# Altium PCB PCB2.PcbDoc (continued)
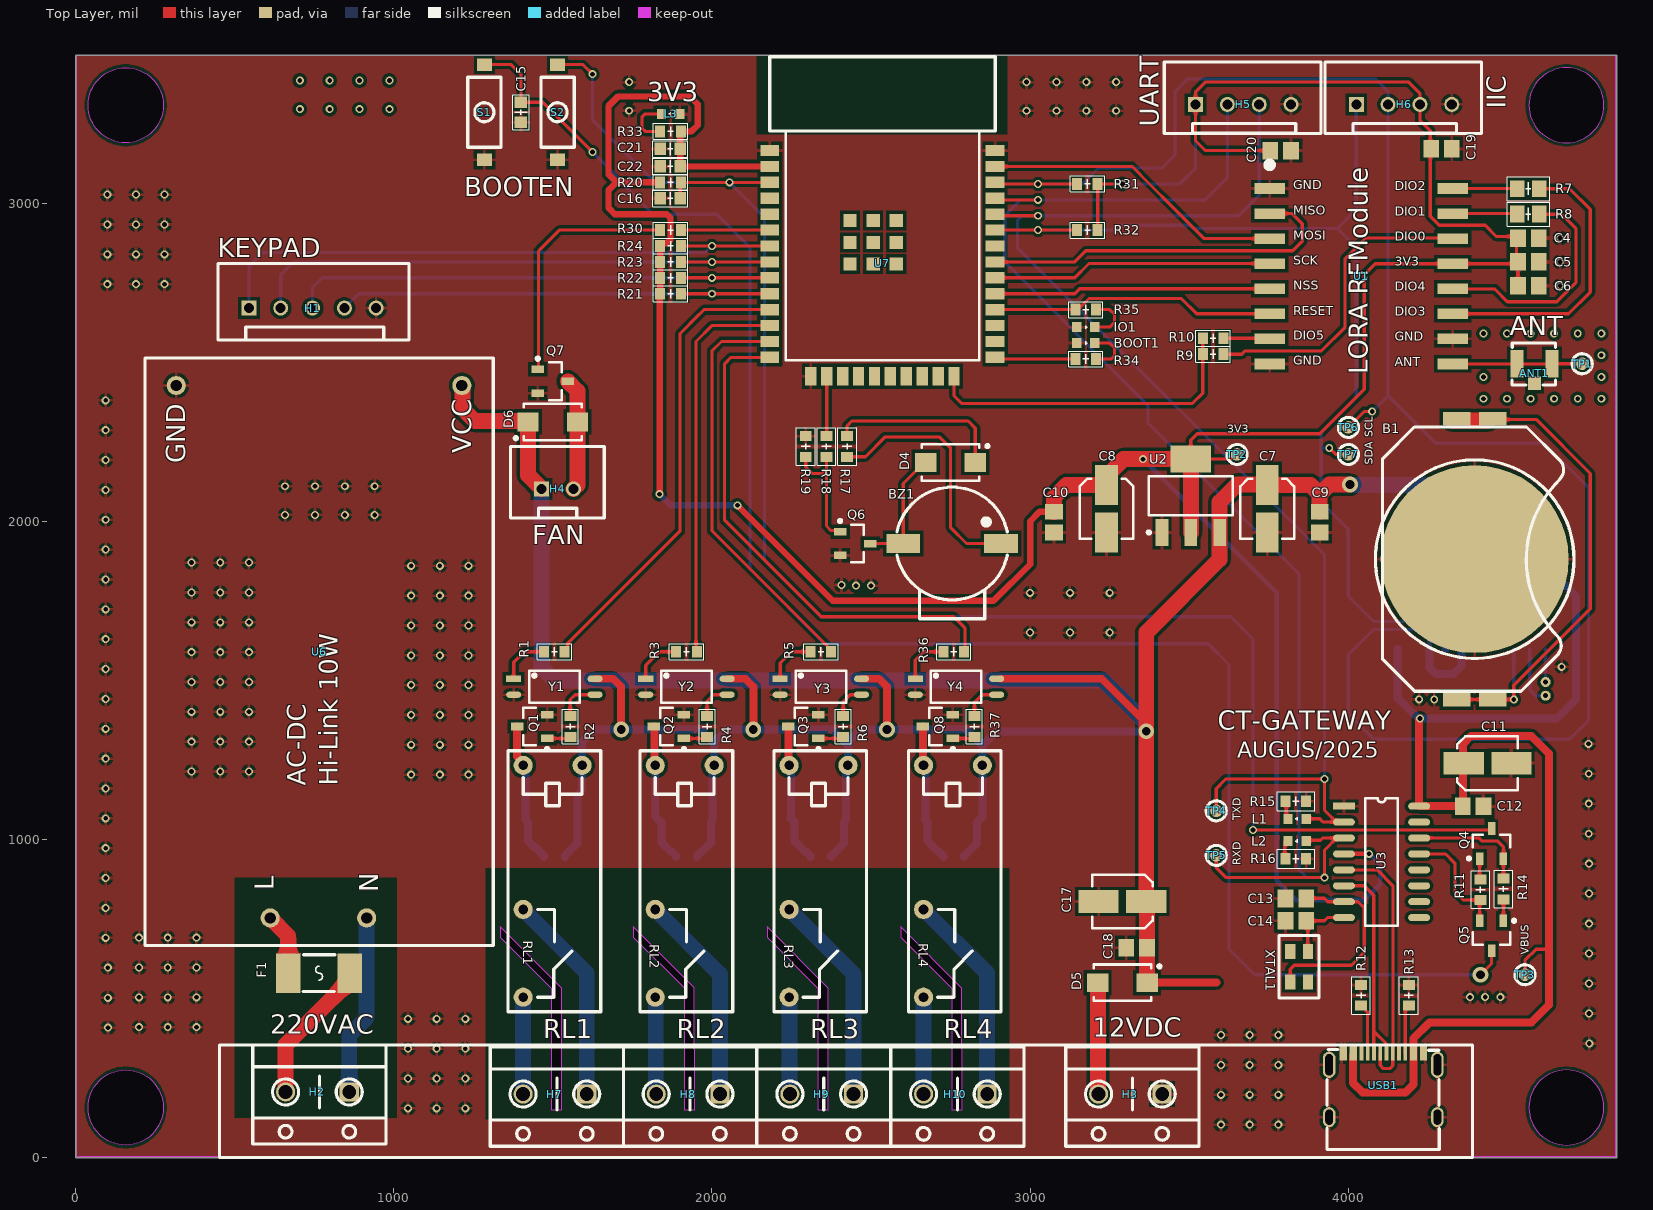
[diagram p0: Top Layer view]
## Footprints (in the part's own frame and the unit in brackets; to place one, negate y for a bottom-side part, rotate by r counter-clockwise, add the part's x,y. Pads: shape width x height; smd on the part's side, far side on the other; paste and mask are expansions set on the pad)
AST0927MW-03TRQ [mm] "Buzzer"
  rect 2.7x1.5 smd: 1(3.9,0) 2(-3.9,0)
  silkscreen extent -4.4,-6 4.4,4.5, body extent -5.25,-6 5.25,4.5, height 2.5
BTN-SMD-3x6 [mm]
  rect 1x1.2 smd: 1(0,0) 2(7.6,0)
  silkscreen extent 1.01,-1.33 6.59,1.33, body extent -0.2,-1.85 7.82,1.85, height 2.5
C0603 [mm]
  rect 0.9x1 smd: 1(-0.8,0) 2(0.8,0)
  silkscreen extent -1.4,-0.66 1.4,0.66, body extent -0.9,-0.5 0.9,0.5, height 0.8
C0805 [mm]
  rect 1.25x1.4 smd: 1(-0.825,0) 2(0.825,0)
  body extent -1.05,-0.67 1.05,0.67, height 0.8
CAP-AL-4x5.4 [mm] "Aluminum Electrolytic Capacitor, Body 4,80x4,30x5,40mm, IPC Low Density"
  rect 3.2x1.8 smd: 1(-1.9,0) 2(1.9,0)
  silkscreen extent -2.4,-2.15 2.4,2.15, body extent -2.73,-2.15 2.73,2.15, height 5.4
CR2032-SMD-Thick [mm]
  rect 1.1x2.2 smd: 1(-11.2,-1.45) 1(-11.2,1.45) 1(11.2,-1.45) 1(11.2,1.45)
  round 15 smd: 2(0,0)
  silkscreen extent -10.55,-7.92 10.55,7.92, body extent -11.62,-7.38 11.63,7.67, height 3.35
"Crystal 5032" [mm]
  rect 1.2x0.8 smd: 1(-1.2,0.7) 2(1.2,0.7) 3(1.2,-0.7) 4(-1.2,-0.7)
  silkscreen extent -2.5,-1.6 2.5,1.6, body extent -2.5,-1.6 2.44,1.6, height 0.85
"CRYSTAL DT38" [mm]
  round 0.8 hole 0.4: 1(-0.55,0) 2(0.55,0)
  silkscreen extent -1.5,-0.26 1.5,9.27
ESP32-WROOM-32 [mm]
  rect 1.5x0.9 smd: 1(0,0) 2(0,-1.27) 3(0,-2.54) 4(0,-3.81) 5(0,-5.08) 6(0,-6.35) 7(0,-7.62) 8(0,-8.89) 9(0,-10.16) 10(0,-11.43) 11(0,-12.7) 12(0,-13.97) 13(0,-15.24) 14(0,-16.51) 25(17.99,-16.51) 26(17.99,-15.24) 27(17.99,-13.97) 28(17.99,-12.7) 29(17.99,-11.43) 30(17.99,-10.16) 31(17.99,-8.89) 32(17.99,-7.62) 33(17.99,-6.35) 34(17.99,-5.08) 35(17.99,-3.81) 36(17.99,-2.54) 37(17.99,-1.27) 38(17.99,0)
  rect 0.9x1.5 smd: 15(3.28,-18.01) 16(4.55,-18.01) 17(5.82,-18.01) 18(7.09,-18.01) 19(8.36,-18.01) 20(9.63,-18.01) 21(10.9,-18.01) 22(12.17,-18.01) 23(13.44,-18.01) 24(14.71,-18.01)
  rect 1.05x1.05 smd: 39(6.415,-9.056) 39(6.415,-7.34) 39(6.415,-5.588) 39(8.257,-9.056) 39(8.257,-7.34) 39(8.257,-5.588) 39(10.098,-9.056) 39(10.098,-7.34) 39(10.098,-5.588)
  silkscreen extent 0,-16.73 18,7.49, body extent -0.03,-18.06 18.07,7.49, height 4.05
Fuse-1808 [mm]
  rect 1.96x3.15 smd: 1(-2.455,0) 2(2.455,0)
  silkscreen extent -1.27,-1.47 1.27,1.47, body extent -3.05,-1.27 3.05,1.27, height 2.58
HF-46-X [mil]
  round 60 hole 30: 1(0,-92.52) 2(0,92.52) 3(452.76,-92.52) 4(728.35,-92.52)
  silkscreen extent -46,-140 774,151, body extent -40,-134 768,144, height 630
"HLK-HiLink AC-DC 10W" [mm]
  round 1.524 hole 0.9: 1(-21.25,3.9) 2(-21.25,-3.8) 3(21.25,11.4) 4(21.25,-11.4)
  silkscreen extent -23.45,-13.9 23.45,13.9, body extent -23.45,-13.9 23.45,13.9, height 21.8
"IPEX Connector SMD" [mm]
  rect 1.05x2.2 smd: 1(-1.4,0) 1(1.4,0)
  rect 1x1.1 smd: 2(0,-1.55)
  silkscreen extent -1.8,-1.7 1.68,1.65, body extent -1.5,-1.55 1.5,1.55, height 1.25
KF301-2-V [mil]
  rect 60x60 hole 43.31: 1(0,0)
  round 60 hole 43.31: 2(200,0)
  silkscreen extent -116,-148 304,164, body extent -97,-156 311,143, height 416
LED-0603-BLUE [mm]
  rect 0.75x0.8 smd: 1(-0.725,0) 2(0.725,0)
  silkscreen extent -0.13,-0.13 0,0.13, body extent -0.8,-0.4 0.8,0.4, height 0.55
"LORA RFM95/96/97/98W" [mm]
  rect 2.45x0.85 smd: 1(-7.3,7) 2(-7.3,5) 3(-7.3,3) 4(-7.3,1) 5(-7.3,-1) 6(-7.3,-3) 7(-7.3,-5) 8(-7.3,-7) 9(7.3,-7) 10(7.3,-5) 11(7.3,-3) 12(7.3,-1) 13(7.3,1) 14(7.3,3) 15(7.3,5) 16(7.3,7)
  silkscreen extent -7.56,8.64 -7.07,9.14, body extent -8,-8 8,8, height 2.04
R0603 [mm] "Resistor Surface Mount Device"
  rect 0.8x0.95 smd: 1(-0.825,0) 2(0.825,0)
  silkscreen extent -1.37,-0.64 1.37,0.64, body extent -0.87,-0.48 0.87,0.48, height 0.45
R0805 [mm]
  rect 1.15x1.35 smd: 1(-0.875,0) 2(0.875,0)
  silkscreen extent -1.7,-0.95 1.7,0.95, body extent -1.1,-0.67 1.1,0.67, height 0.6
SMA [mm] "Molded Diode, 2-Leads, Body 4,29x2,69mm, IPC Medium Density"
  rect 1.7x1.5 smd: A(-1.975,0) K(1.975,0)
  silkscreen extent -2.3,-1.45 3.08,1.45, body extent -2.51,-1.45 2.51,1.44, height 2.4
SOIC8 [mm]
  rect 1.8x0.6 smd: 1(0,0)
  oval 1.8x0.6 smd: 2(0,-1.27) 3(0,-2.54) 4(0,-3.81) 5(5.4,-3.81) 6(5.4,-2.54) 7(5.4,-1.27) 8(5.4,0)
  silkscreen extent 1.27,-4.44 4.06,0.63, body extent -0.25,-4.32 5.65,0.58, height 1.5
SOP-4 [mm]
  rect 1.2x0.5 smd: 1(0,0)
  oval 1.2x0.5 smd: 2(0,-1.27) 3(6.5,-1.27) 4(6.5,0)
  silkscreen extent 1.23,-1.91 5.27,0.64, body extent -0.25,-2.04 6.75,0.76, height 2.1
SOP-16 [mm]
  rect 1.745x0.56 smd: 1(0,0)
  oval 1.745x0.56 smd: 2(0,-1.27) 3(0,-2.54) 4(0,-3.81) 5(0,-5.08) 6(0,-6.35) 7(0,-7.62) 8(0,-8.89) 9(6,-8.89) 10(6,-7.62) 11(6,-6.35) 12(6,-5.08) 13(6,-3.81) 14(6,-2.54) 15(6,-1.27) 16(6,0)
  silkscreen extent 1.71,-9.53 4.29,0.64, body extent -0.2,-9.47 6.04,0.51, height 1.58
SOT-23 [mm] "SOT23, 3-Leads, Body 2,90x2,45mm, Pitch 0,95mm, IPC Medium Density"
  rect 1x0.6 smd: 1(-1.2,0.95) 2(-1.2,-0.95) 3(1.2,0)
  silkscreen extent -1.33,-1.5 0.7,1.92, body extent -1.3,-1.5 1.3,1.5, height 1.1
SOT-223 [mm] "SOT223, 4-Leads, Body 6,50x7,00mm (avg), Pitch 2,30mm, IPC Medium Density"
  rect 2.15x1 smd: 1(-2.925,2.3) 2(-2.925,0) 3(-2.925,-2.3)
  rect 2.15x3.25 smd: 2(2.925,0)
  silkscreen extent -3.05,-3.35 1.55,3.47, body extent -3.5,-3.35 3.5,3.35, height 1.8
"Test Point" [mm]
  round 1 smd mask+0: 1(0,0)
  silkscreen extent -0.8,-0.8 0.8,0.8
USB-C-H-K-16P [mm] "USB TYPE C 16PIN CONNECTOR HORIZONETAL"
  oval 1x1.6 hole 1.2 slot 0.6 at 0 deg: 0(-4.32,2.6) 0(4.32,2.6)
  oval 1x2.1 hole 1.7 slot 0.6 at 0 deg: 0(-4.32,6.78) 0(4.32,6.78)
  rect 0.3x1.15 smd mask+0.102: A1(-3.338,7.695) A4(-2.54,7.695) A9(2.553,7.695) A12(3.353,7.695) B1(3.063,7.695) B4(2.263,7.695) B9(-2.25,7.695) B12(-3.048,7.695)
  rect 0.3x1.15 smd mask+0.05: A5(-1.25,7.695) A6(-0.25,7.695) A7(0.25,7.695) A8(1.25,7.695) B5(1.75,7.695) B6(0.75,7.695) B7(-0.75,7.695) B8(-1.75,7.695)
  silkscreen extent -4.5,0.03 4.47,8, body extent -4.5,0.04 4.44,7.94, height 3.2
XH-2.54-2P [mm]
  rect 1.2x1.2 hole 0.8: 1(0,0)
  round 1.2 hole 0.8: 2(2.54,0)
  silkscreen extent -2.5,-2.32 5,3.37, body extent -2.41,-2.35 4.99,3.4, height 7
XH-2.54-4P [mm]
  rect 1.2x1.2 hole 0.8: 1(0,0)
  round 1.2 hole 0.8: 2(2.54,0) 3(5.08,0) 4(7.62,0)
  silkscreen extent -2.5,-2.32 10,3.37, body extent -2.33,-2.35 10.07,3.4, height 7
XH-2.54-5P [mm]
  rect 1.2x1.2 hole 0.8: 1(0,0)
  round 1.2 hole 0.8: 2(2.54,0) 3(5.08,0) 4(7.62,0) 5(10.16,0)
  silkscreen extent -2.46,-2.54 12.78,3.56, body extent -2.29,-2.35 12.61,3.4, height 7

## Part data
ANT1: "RF Antena", ComponentLink1Description=Datasheets, ComponentLink1URL=https://cdn.taoglas.com/datasheets/RECE.20279.001E.01.pdf
B1: "CR2032 Battery", ComponentLink1Description="CR2032 Battery", ComponentLink1URL=https://www.jauch.com/downloadfile/5ef1edcfd15cf1c9921d36c851eb4c34f/cr2032_jauch.pdf%C2%A0
BOOT1 IO1 L1 L2 L3: library part LED-Blue, "Blue Light Emiter Diode"
BZ1: "Voltage Rate 5V, Current 50mA"
C1 C2 C3 C4 C5 C6 C9 C10 C12 C13 C14 C15 C16 C18 C19 C20 C21 C22 C23: library part CAP-CER, "Ceramic Capacitor"
C7 C8 C11 C17: library part CAP-ALU, "Aluminum Capacitor"
D1 D2 D3 D4 D6 D7: "Small Signal Diode"
D5: library part Diode_Schottky, "Schottky diodes"
F1: library part Fuse, "MF-MSMF Series - PTC Resettable Fuses", ComponentLink1Description="MF-MSMF Series", ComponentLink1URL=https://www.bourns.com/docs/product-datasheets/mf-msmf.pdf
H1: library part CONN-5P, "Connector 5 Pole"
H2 H3 H7 H8 H9 H10: library part KF301-2-V, "Connector 5.08MM Pitch Vertical 2 Pole"
H4: library part CONN-2P, "Connector 2 Pole"
H5 H6: library part CONN-4P, "Connector 4 Pole"
Q1 Q2 Q3 Q4 Q5 Q6 Q7 Q8: "NPN Transistors 0.5A Collector to Emitter 25V"
R1 R2 R3 R4 R5 R6 R7 R8 R9 R10 R11 R12 R13 R14 R15 R16 R17 R18 R19 R20 R21 R22 R23 R24 R25 R26 R27 R28 R29 R30 R31 R32 R33 R34 R35 R36 R37: library part Resistor, "Resistor"
RL1 RL2 RL3 RL4: "Relay 4 Pin", ComponentLink1Description=HF-46F, ComponentLink1URL=https://source.hongfa.com/pdf/web/viewer.html?file=/Uploads/Product/PDF/HF46F_en.pdf
S1 S2: library part Button-2P, "Tactile Switch 2 pole"
TP1 TP2 TP3 TP4 TP5 TP6 TP7: library part TestPoint, "Test Point"
U1: library part "RFM95/96/97/98 LORA Module", "The RFM95/96/97/98(W) transceivers feature the LoRaTM    long range modem that provides ultra-long range spread spectrum communication and high interference immunity whilst minimising current consumption.", ComponentLink1Description=RFM95/96/97/98, ComponentLink1URL=https://cdn.sparkfun.com/assets/learn_tutorials/8/0/4/RFM95_96_97_98W.pdf
U2: "Regulator intergated chip", ComponentLink1Description=AMS1117-3.3, ComponentLink1URL=https://mm.digikey.com/Volume0/opasdata/d220001/medias/docus/6283/AMS1117-2.5.pdf
U3: library part CH340-16P, "USB to UART bridge / CH340-G-C-B", ComponentLink1Description="CH340 Series", ComponentLink1URL=https://cdn.sparkfun.com/datasheets/Dev/Arduino/Other/CH340DS1.PDF
U4: "Realtime Clock IC", ComponentLink1Description=DS1307, ComponentLink1URL=https://www.alldatasheet.com/datasheet-pdf/view/254791/MAXIM/DS1307.html
U5: "I2C Serial EEPROM", ComponentLink1Description=AT24CS02, ComponentLink1URL=https://ww1.microchip.com/downloads/aemDocuments/documents/MPD/ProductDocuments/DataSheets/20006330A.pdf
U6: "Module AC to DC 220AC-24/12/5VDC 10W"
U7: "ESP32 powerfull micro controller CHIP", ComponentLink1Description=ESP32-WROOM-32E-N4, ComponentLink1URL=https://www.espressif.com/sites/default/files/documentation/esp32-wroom-32e_esp32-wroom-32ue_datasheet_en.pdf
USB1: library part USB-C-F-16P, "16P USB TYPE-C CONNECTOR"
XTAL1: library part CRYSTAL-4P, "Crystall 3Pin Capacitor Intergrated"
XTAL2: library part CRYSTAL-2P, "Crystall 2Pin Capacitor Intergrated"
Y1 Y2 Y3 Y4: library part PC817, "Photo-Coupler", ComponentLink1Description=PC817, ComponentLink1URL=https://www.socle-tech.com/doc/IC%20Channel%20Product/Optoelectronic%20Components/Photocoupler/PC8171_NIP1B_ED-16P023.pdf

## Via types
v1: diameter 25, hole 15, Top Layer to Bottom Layer, 211 vias
v2: diameter 50, hole 28, Top Layer to Bottom Layer, 6 vias

## Nets (pads, with @x,y where several pads share a name; then routed paths per layer and width w, separated by ;. In a path a pad name is that pad's centre, name@x,y a point inside that pad or via, vN(x,y) a via of type N, cw(c..) or ccw(c..) an arc to the next point about the centre after c; other vN are vias at no path point)
3V3: C4.2 C5.2 C6.2 C8.1 C10.2 C19.2 C20.2 C21.2 C22.2 H5.1 H6.3 R20.2 R21.1 R22.1 R23.1 R24.1 R31.1 R32.1 R33.1 TP2.1 U1.13 U2.2 U3.4 U7.2 | length 11143.7
  Top Layer w10: C22.2@1900.55,3113.03 C22.2@1902.52,3115 ; R33.1@1900.55,3223.07 R33.1 ; R32.1 R31.1 v1(3290,3060) ; TP2.1 3642.05,2210 3627.21,2195.16 3505,2195.16 3505,2255 3525,2275 3910,2275 4050,2415 4050,2775 4084.37,2809.37 U1.13 4527.44,2809.37 C5.2 ; C20.2@3757.52,3165 C20.2 3550,3165 3520,3195 H5.1 3520,3350 3550,3380 4190,3380 4225,3345 H6.3 4225,3260 4257.52,3227.48 4257.52,2958.18 4285.7,2930 4430,2930 4465,2895 4528.07,2895 4528.07,2820 C5.2 ; C6.2 C5.2
  Top Layer w15: U3.4@3986.69,955 v1(4065,955)
  Top Layer w20: v1(1835,2085) 1835.96,2085.96 1835.96,2713.38 R21.1 R22.1 R23.1 R24.1 ; R20.2 1700,3065 ; R24.1@1843.32,2866.99 1843.32,2873.7 1858.28,2873.7 1870,2885.42 1870,2953.28 1858.28,2965 1695,2965 1675,2985 1675,3040 1700,3065 ; C22.2 C21.2 R33.1@1900.55,3223.07 ; C22.2@1902.52,3115 U7.2 ; R33.1 1935,3225 1955,3245 1955,3310 1930,3335 1705,3335 1675,3305 1675,3090 1700,3065 ; v1(2080,2050) 2380,1750 2885,1750 3000,1865 3000,2000.12 3029.29,2029.41 C10.2@3074.61,2029.41
  Top Layer w50: C10.2@3074.61,2029.41 C10.2 3075,2075 3114.45,2114.45 C8.1 3240,2142.01 3293.15,2195.16 3505,2195.16 U2.2@3505,1964.84
  Bottom Layer w10: v1(3290,3060) 3470,3060 3520,3110 H5.1
  Bottom Layer w15: v1(3355,2195) 3775,1775 3775,870 3835,810 4050,810 4100,860 4100,920 v1(4065,955)
  Bottom Layer w20: v1(1835,2085) 1870,2050 v1(2080,2050)
5V: D4.K R17.2 | length 558
  Top Layer w10: R17.2 2425,2300 2440,2315 2805,2315 2827.37,2292.63 D4.K
+5: C1.2 C2.2 C3.2 C7.1 C9.2 C11.1 C12.2 C17.1 C18.2 C23.2 D1.K D2.K D3.K D5.K D6.K D7.K H4.1 R25.2 R26.2 RL1.2 RL2.2 RL3.2 RL4.2 TP3.1 U2.3 U3.16 U4.8 U5.8 U6.4 USB1.A4 USB1.A9 USB1.B4 USB1.B9 Y1.4 Y2.4 Y3.4 Y4.4 | length 14845.3
  Top Layer w10: TP3.1 4555,620 4590,655 4630,655
  Top Layer w25: Y1.4 1690,1505 1715,1480 v2(1715,1345) ; Y2.4 2105,1505 2130,1480 v2(2130,1345) ; Y3.4@2467.95,1505 Y3.4 2525,1505 2550,1480 v2(2550,1345) ; Y4.4@2906.12,1505 3225,1505 3365,1365 ; D5.K 3585,550 ; USB1.A4@4015,322.76 4015,235 4045,205 4180,205 4205,230 4205,375 4255,425 4575,425 4630,480 4630,655 4630,1270 4575,1325 4385,1325 4360,1300 4360,1236.89 4359.92,1236.81 C12.2 U3.16 4222.4,1377.4 v1(4225,1380)
  Top Layer w50: U6.4 1216.13,2424.7 1216.13,2353.87 1255,2315 1419.49,2315 D6.K 1422.24,2144.45 H4.1 ; D5.K 3367.62,550.14 3367.62,659.86 C18.2 3367.09,660.39 3367.09,805 3365,807.09 3365,1650 3595,1880 3595,1964.29 U2.3 3595.55,2060.55 3650,2115 3744.45,2115 C7.1 3880.55,2114.45 3910,2085 ; C9.2 3910,2085 ; v2(4005,2115) 3940,2115 3910,2085
  Bottom Layer w25: C1.2 1537.48,947.95 1577.37,987.85 D1.K 1577.37,1140.33 1592.02,1154.98 RL1.2 1592.02,1307.02 1630,1345 v2(1715,1345) 1965,1345 2007.02,1302.98 ; C2.2 1952.48,947.95 1964.59,960.06 1967.54,960.06 1997.3,989.81 D2.K 2002.16,1059.86 2002.16,1227.89 RL2.2 2007.02,1302.98 ; C3.2 2374.96,947.95 2414.85,987.85 D3.K 2421.19,1061.33 2421.19,1226.42 RL3.2 2427.52,1307.02 2465.5,1345 v2(2550,1345) 2800.5,1345 2850.04,1295.46 RL4.2 2850.04,1072.03 2833.01,1055 D7.K 2832.76,987.97 2804.84,960.06 2804.59,960.06 2792.48,947.95 C23.2 ; 2422.02,1302.98 2380,1345 v2(2130,1345) 2045,1345 2007.02,1307.02 2007.02,1302.98 ; 2855.26,1300.26 2895,1340 v2(3365,1340) ; U5.8 4155,1445 4220,1380 v1(4225,1380) 4655,1380 4715,1440 4715,1765 4670,1810 4620.69,1810 4620,1810.69 U4.8 4620,1960 4587.52,1992.48 R25.2 R26.2
  Bottom Layer w50: H4.1 1465,1540 1505,1500 3230,1500 3365,1365 v2(3365,1340) ; v2(4005,2115) 4005.43,2114.57 4390.43,2114.57 4460,2045 R26.2
GND: B1.2 BOOT1.2 C4.1 C5.1 C6.1 C7.2 C8.2 C9.1 C10.1 C11.2 C12.1 C13.1 C14.1 C15.2 C16.2 C17.2 C18.1 C19.1 C20.1 C21.1 C22.1 H1.5 H3.1 H5.4 H6.4 IO1.2 L3.2 Q1.2 Q2.2 Q3.2 Q6.2 Q7.2 Q8.2 R12.2 R13.1 R15.1 R16.1 R19.2 R27.1 R28.1 R29.1 S1.1 S2.1 U1.1 U1.8 U1.10 U2.1 U3.1 U4.4 U5.4 U5.7 U6.3 U7.1 U7.15 U7.38 USB1.0 USB1.A1 USB1.A12 USB1.B1 USB1.B12 Y1.2 Y2.2 Y3.2 Y4.2
  other v1: 3600,103.83 3690,103.83 3780,103.83 1045,155 1135,155 1225,155 3600,197.67 3690,197.67 3780,197.67 1045,248.83 1135,248.83 1225,248.83 3600,291.5 3690,291.5 3780,291.5 1045,342.67 1135,342.67 1225,342.67 4757.19,359 3600,385.33 3690,385.33 3780,385.33 102.19,408.5 200,410 290,410 380,410 1045,436.5 1135,436.5 1225,436.5 4756.64,453 101.64,502.5 200,503.83 290,503.83 380,503.83 4382.5,504.45 4477.5,504.45 4430,505 4756.64,547.5 101.64,597 200,597.67 290,597.67 380,597.67 4756.64,641.5 95,691 200,691.5 290,691.5 380,691.5 4756.09,735.5 95,784.83 4756.09,830 95,878.67 4756.09,924 95,972.5 4755.55,1018 95,1066.33 4755.55,1112.5 95,1160.17 1055,1203.5 1145,1203.5 1235,1203.5 4755.55,1206.5 365,1213.5 455,1213.5 545,1213.5 95,1254 1055,1297.33 1145,1297.33 1235,1297.33 4755,1300.5 365,1307.33 455,1307.33 545,1307.33 95,1347.83 1055,1391.17 1145,1391.17 1235,1391.17 365,1401.17 455,1401.17 545,1401.17 4270,1440 4222.5,1440.55 95,1441.67 1055,1485 1145,1485 1235,1485 365,1495 455,1495 545,1495 95,1535.5 4670.55,1542.5 1055,1578.5 1145,1578.5 1235,1578.5 365,1588.5 455,1588.5 545,1588.5 95,1629.33 3000,1650 3125,1650 3250,1650 1055,1672.33 1145,1672.33 1235,1672.33 365,1682.33 455,1682.33 545,1682.33 95,1723.17 1055,1766.17 1145,1766.17 1235,1766.17 3000,1775 3125,1775 3250,1775 365,1776.17 455,1776.17 545,1776.17 2452.5,1797.5 2500,1797.5 2407.34,1799.84 95,1817 1055,1860 1145,1860 1235,1860 365,1870 455,1870 545,1870 95,1910.83 95,2004.67 658.83,2020 752.67,2020 846.5,2020 940.33,2020 95,2098.5 658.83,2110 752.67,2110 846.5,2110 940.33,2110 95,2192.33 95,2286.17 95,2380 4665,2740 100,2745 190,2745 280,2745 4665,2815 100,2838.83 190,2838.83 280,2838.83 4665,2890 100,2932.67 190,2932.67 280,2932.67 100,3026.5 190,3026.5 280,3026.5 1740,3290 2988.83,3290 3082.67,3290 3176.5,3290 3270.33,3290 1740,3380 2988.83,3380 3082.67,3380 3176.5,3380 3270.33,3380
NetANT1_1: ANT1.1 TP1.1 U1.9 | length 407.3
  Top Layer w10: U1.9 4639.53,2494.41 4640.12,2495 TP1.1
NetB1_1: B1.1 U4.3 | length 1653.9
  Top Layer w10: B1.1@4340,1440 4454.17,1440 v1(4520,1440) 4520,1485 4760,1725 4760,2150 4590,2320 4443.31,2320 B1.1@4440,2316.69
  Top Layer w50: B1.1@4325.83,2316.69 B1.1@4440,2316.69
  Bottom Layer w10: v1(4520,1440) U4.3
NetBOOT1_1: BOOT1.1 R34.2 | length 154.3
  Top Layer w10: BOOT1.1 3250,2560 3265,2545 3265,2520 3255,2510 R34.2
NetBZ1_1: BZ1.1 R17.1 | length 794.6
  Top Layer w10: R17.1 2482.52,2202.52 2545,2265 2715,2265 2750,2230 2750,1980 2800,1930 BZ1.1
NetBZ1_2: BZ1.2 D4.A Q6.3 | length 390.7
  Top Layer w10: Q6.3 BZ1.2 2601.46,2118.53 2667.93,2185 D4.A
NetC1_1: C1.1 D1.A Q1.3 RL1.1 | length 446.8
  Top Layer w25: Q1.3 1387.76,1261.45 1406.98,1242.23 RL1.1
  Bottom Layer w25: RL1.1 1413.68,1226.06 1413.68,1063.18 D1.A 1421.86,995.66 1439.54,977.98 1442.49,977.98 1472.52,947.95 C1.1
NetC2_1: C2.1 D2.A Q2.3 RL2.1 | length 443.1
  Top Layer w25: Q2.3 1819.18,1355 1819.87,1354.31 1819.87,1234.87 RL2.1
  Bottom Layer w25: RL2.1 1821.98,1072.03 1839.01,1055 D2.A 1841.78,990.74 1872.46,960.06 1875.41,960.06 1887.52,947.95 C2.1
NetC3_1: C3.1 D3.A Q3.3 RL3.1 | length 440.9
  Top Layer w25: Q3.3 2240.67,1355 2241.36,1354.31 2241.36,1233.88 RL3.1
  Bottom Layer w25: RL3.1 2249.18,1226.06 2249.18,1065.17 D3.A 2259.34,995.66 2294.94,960.06 2297.89,960.06 2310,947.95 C3.1
NetC13_2: C13.2 U3.7 XTAL1.1 | length 621.8
  Top Layer w10: XTAL1.1 3817.44,592.44 3830,605 4010,605 4050,645 4050,785 4030.51,804.49 U3.7 3935.51,804.49 3925,815 3875.39,815 C13.2@3874.88,814.49
NetC14_2: C14.2 U3.8 XTAL1.3 | length 213.6
  Top Layer w10: XTAL1.3 3872.56,742.17 3874.88,744.49 3924.49,744.49 3934.49,754.49 U3.8
NetC15_1: C15.1 Q5.3 S1.2 | length 5574.8
  Top Layer w10: S1.2 1370,3435 1400,3405 C15.1 1468.5,3316.5 v1(1625,3160) ; v2(4415,575) 4450,610 Q5.3
  Bottom Layer w10: v1(1625,3160) 1711.44,3073.56 1711.44,3068.56 1815,2965 2015,2965 2120,2860 2120,1850 2355,1615 3560,1615 3625,1550 3625,655 3705,575 v2(4415,575)
NetC16_1: C16.1 Q4.3 R20.1 S2.2 U7.3 | length 5331.5
  Top Layer w10: S2.2 1595,3435 v1(1625,3405) ; C16.1 1900.55,3063.02 R20.1@1901.55,3064.02 ; R20.1 R20.1@1901.55,3064.02 ; U7.3 1903.52,3065 1902.54,3064.02 R20.1@1901.55,3064.02 ; v1(3700,1030) 4445.51,1030 Q4.3
  Bottom Layer w10: v1(1625,3405) 1625,3260 1820,3065 v1(2055,3065) 2165,2955 2165,1878.43 2343.43,1700 3630,1700 3700,1630 v1(3700,1030)
NetC23_1: C23.1 D7.A Q8.3 RL4.1 | length 438.8
  Top Layer w25: Q8.3 2663.19,1355 2663.88,1354.31 2663.88,1233.88 RL4.1
  Bottom Layer w25: RL4.1 2671.12,1226.63 2671.12,1061.12 D7.A 2677.24,995.28 2712.46,960.06 2715.41,960.06 2727.52,947.95 C23.1
NetD5_A: D5.A H3.2 | length 351.1
  Top Layer w50: D5.A 3213.62,548.62 3213.62,201.38 H3.2
NetD6_A: D6.A H4.2 Q7.3 | length 356.2
  Top Layer w50: Q7.3 1577.76,2409.49 D6.A 1577.76,2114.45 H4.2
NetF1_1: F1.1 H2.2 | length 457
  Top Layer w50: H2.2 660.26,354.79 862.05,556.57 F1.1
NetF1_2: F1.2 U6.1 | length 197
  Top Layer w50: U6.1 668.74,696.5 F1.2
NetH1_1: H1.1 R24.2 U7.7 | length 1891.1
  Top Layer w10: R24.2 U7.7
  Bottom Layer w10: H1.1 545,2800 590,2845 1980,2845 v1(2000,2865)
NetH1_2: H1.2 R23.2 U7.8 | length 1755.8
  Top Layer w10: R23.2 U7.8
  Bottom Layer w10: H1.2 645,2775 685,2815 v1(2000,2815)
NetH1_3: H1.3 R22.2 U7.9 | length 1611.6
  Top Layer w10: R22.2 U7.9
  Bottom Layer w10: H1.3 745,2735 775,2765 v1(2000,2765)
NetH1_4: H1.4 R21.2 U7.10 | length 1452.8
  Top Layer w10: R21.2 U7.10
  Bottom Layer w10: H1.4 890,2715 v1(2000,2715)
NetH2_1: H2.1 U6.2 | length 569.4
  Bottom Layer w50: H2.1 860.26,385.26 915,440 U6.2
NetH5_2: H5.2 L2.2 TP5.1 U3.3 U7.35 | length 4286.4
  Top Layer w10: U7.35@2886.52,3010 v1(3025,3010) ; TP5.1 3585,911.63 3616.63,880 v1(3925,880) 3925,966.63 U3.3@3962.85,1004.49 ; L2.2@3868.84,997.5 3911.8,997.5 3918.79,1004.49 U3.3@3962.85,1004.49 ; U3.3 U3.3@3962.85,1004.49
  Bottom Layer w10: v1(3025,3010) 2970,3010 2920,2960 2920,2815 3370,2365 3370,2310 3845,1835 3845,905 3870,880 v1(3925,880) ; v1@3037.15,3010 3550,3010 3620,3080 H5.2
NetH5_3: H5.3 L1.2 TP4.1 U3.2 U7.34 | length 4066.2
  Top Layer w10: U7.34@2886.52,2960 v1(3025,2960) ; TP4.1 3585,1160 3615,1190 v1(3925,1190) 3925,1092.34 U3.2@3962.34,1055 ; L1.2@3868.54,1065 3910,1065 3920,1055 U3.2@3962.34,1055 ; U3.2 3985.67,1055 U3.2@3962.34,1055
  Bottom Layer w10: H5.3 3720,3025 3655,2960 2975,2960 2960,2945 2960,2860 3925,1895 v1(3925,1190)
NetH6_1: H6.1 R26.1 R32.2 TP7.1 U4.5 U5.5 U7.33 | length 3783.5
  Top Layer w10: U7.33 v1(3025,2915) R32.2 ; v1(3940,2230) 3960,2210 TP7.1
  Bottom Layer w10: v1(3025,2915) 3258.04,2915 3273.04,2930 3502.03,2930 3512.03,2920 3965,2920 ; v1(3940,2230) 3915,2230 ; H6.1 4025,2980 3965,2920 ; 4305,1685 4080,1685 4000,1765 4000,1975 3915,2060 3915,2230 ; 3915,2230 3915,2280 4025,2390 4025,2860 3965,2920
  Bottom Layer w25: U5.5 4305,1685 4335,1715 4450,1715 4470,1735 U4.5 4470,1875 4460,1885 R26.1
NetH6_2: H6.2 R25.1 R31.2 TP6.1 U4.6 U5.6 U7.36 | length 6249.5
  Top Layer w10: U7.36@2886.52,3060 R31.2 ; TP6.1 4050,2345 v1(4075,2345)
  Bottom Layer w10: v1(3025,3060) 3165,3060 3215,3110 3415,3110 3455,3150 3455,3350 3460,3355 3495,3390 4085,3390 4125,3350 H6.2 4125,2395 ; v1(4075,2345) 4125,2395 ; U5.6 4255,1650 4245,1660 4080,1660 4000,1580 4000,1395 4080,1315 4695,1315 4755,1375 4755,2105 4615,2245 4275,2245 4125,2395
  Bottom Layer w25: U5.6 4255,1540 4275,1520 4330,1520 4355,1545 4355,1630 4395,1670 4475,1670 4520,1715 U4.6 R25.1
NetH7_1: H7.1 RL1.3 | length 662.7
  Bottom Layer w50: RL1.3 1606.67,580.31 H7.1
NetH7_2: H7.2 RL1.4 | length 304.5
  Bottom Layer w50: H7.2 1406.82,200.16 1406.82,504.25 RL1.4
NetH8_1: H8.1 RL2.3 | length 664.1
  Bottom Layer w50: RL2.3 2025,576.98 H8.1
NetH8_2: H8.2 RL2.4 | length 305.7
  Bottom Layer w50: RL2.4 1823.49,502.9 1823.49,201.51 H8.2
NetH9_1: H9.1 RL3.3 | length 663.9
  Bottom Layer w50: RL3.3 2445,577.48 H9.1
NetH9_2: H9.2 RL3.4 | length 305.5
  Bottom Layer w50: RL3.4 2243.74,503.15 2243.74,201.26 H9.2
NetH10_1: H10.1 RL4.3 | length 662.8
  Bottom Layer w50: RL4.3 2865,580 H10.1
NetH10_2: H10.2 RL4.4 | length 304.4
  Bottom Layer w50: H10.2 RL4.4
NetIO1_1: IO1.1 R35.2 | length 156.4
  Top Layer w10: IO1.1 3250,2610 3265,2625 3265,2650 3250,2665 R35.2
NetL1_1: L1.1 R15.2 | length 68.7
  Top Layer w10: R15.2 3805,1117.52 3805,1061.46 L1.1@3811.46,1055
NetL2_1: L2.1 R16.2 | length 69.1
  Top Layer w10: R16.2@3799.92,939.49 3800,939.57 3800,987.88 3800,994.72 L2.1@3809.76,1004.49
NetL3_1: L3.1 R33.2 | length 162.3
  Top Layer w10: R33.2 1790,3225 1780,3235 1780,3270 1790,3280 L3.1
NetQ1_1: Q1.1 R2.1 | length 74
  Top Layer w10: Q1.1 1552.05,1317.6 R2.1@1555,1320.55
NetQ2_1: Q2.1 R4.1 | length 74
  Top Layer w10: Q2.1 1982.05,1317.6 R4.1@1985,1320.55
NetQ3_1: Q3.1 R6.1 | length 79
  Top Layer w10: Q3.1 2409.53,1317.6 R6.1@2412.48,1320.55
NetQ4_1: Q4.1 R11.2 | length 66.3
  Top Layer w10: Q4.1 4412.6,877.13 R11.2
NetQ4_2: Q4.2 R14.1 U3.14 | length 377.2
  Top Layer w10: U3.14 4222.91,1005 4410,1005 4420,995 4470,995 4487.4,977.6 Q4.2 R14.1
NetQ5_1: Q5.1 R14.2 | length 67.5
  Top Layer w10: Q5.1 R14.2
NetQ5_2: Q5.2 R11.1 U3.13 | length 371.5
  Top Layer w10: U3.13 4305.51,954.49 4335,925 4335,835 4360.24,809.76 R11.1 4412.6,807.36 Q5.2
NetQ6_1: Q6.1 R18.1 R19.1 | length 379.6
  Top Layer w10: R19.1 2295,2170 2315,2150 2345,2150 2360,2165 ; R18.1 2360,2165 ; Q6.1 2399.09,1971.07 2373.93,1971.07 2360,1985 2360,2165
NetQ7_1: Q7.1 R30.2 | length 777.5
  Top Layer w10: Q7.1 1455,2479.65 1455,2849.14 1460.86,2855 1520.86,2915 R30.2@1832.52,2915
NetQ8_1: Q8.1 R37.1 | length 69
  Top Layer w10: Q8.1 2822.05,1317.6 R37.1@2825,1320.55
NetR1_1: R1.1 U7.11 | length 1462.1
  Top Layer w10: R1.1@1539.45,1590 1546.57,1597.12 1546.57,1616.57 1900,1970 1900,2590 1960.82,2650.82 1960.86,2650.86 1975,2665 1995,2665 U7.11
NetR1_2: R1.2 Y1.1 | length 159.2
  Top Layer w10: Y1.1 1377.05,1557.05 1410,1590 R1.2@1470.55,1590
NetR2_2: R2.2 Y1.3 | length 134.7
  Top Layer w10: R2.2@1555,1389.45 1555,1440 1570,1455 Y1.3
NetR3_1: R3.1 U7.12 | length 1229
  Top Layer w10: R3.1@1954.45,1590 1950,1594.45 1950,2565 2000,2615 U7.12@2181.46,2615
NetR3_2: R3.2 Y2.1 | length 153.3
  Top Layer w10: Y2.1 1792.05,1547.05 1835,1590 R3.2@1885.55,1590
NetR4_2: R4.2 Y2.3 | length 116.8
  Top Layer w10: R4.2@1985,1389.45 1985,1435 2005,1455 Y2.3
NetR5_1: R5.1 U7.13 | length 1295
  Top Layer w10: U7.13@2181.46,2565 2030,2565 2000,2535 2000,1970.87 2376.93,1593.94 R5.1@2376.93,1590
NetR5_2: R5.2 Y3.1 | length 157.7
  Top Layer w10: Y3.1 2214.53,1554.53 2250,1590 R5.2@2308.03,1590
NetR6_2: R6.2 Y3.3 | length 110.3
  Top Layer w10: R6.2@2412.48,1389.45 2412.48,1432.48 2435,1455 Y3.3
NetR7_1: R7.1 U1.16 | length 203.4
  Top Layer w10: U1.16 4530.51,3045.59 R7.1
NetR7_2: R7.2 U1.11 | length 907.2
  Top Layer w10: U1.11 4691.89,2651.89 4760,2720 4760,2980 4695,3045 R7.2
NetR8_1: R8.1 U1.15 | length 203.9
  Top Layer w10: U1.15 4529.25,2966.85 R8.1
NetR8_2: R8.2 U1.12 | length 732.5
  Top Layer w10: U1.12 4328.58,2730 4460,2730 4500,2690 4655,2690 4715,2750 4715,2920.29 4670.29,2965 R8.2
NetR9_1: R9.1 U1.14 | length 998.4
  Top Layer w10: R9.1 3665,2525 3675,2535 3915,2535 3990,2610 3990,2825 4055,2890 4326.06,2890 U1.14
NetR9_2: R9.2 R10.1 U7.24 | length 1039.4
  Top Layer w10: U7.24 2760.87,2394.13 2785,2370 3510,2370 3542.52,2402.52 R9.2 R10.1
NetR10_2: R10.2 U1.7 | length 146.4
  Top Layer w10: R10.2 3751.3,2575 U1.7
NetR12_1: R12.1 USB1.A5 | length 160
  Top Layer w10: R12.1 4042.95,477.52 4053.7,466.77 4053.7,463.82 4060.71,456.81 USB1.A5
NetR13_2: R13.2 USB1.B5 | length 150.2
  Top Layer w10: USB1.B5 4178.82,476.34 R13.2@4180,477.52
NetR18_2: R18.2 U7.16 | length 188.8
  Top Layer w10: R18.2 2360.87,2268.35 U7.16
NetR27_2: R27.2 U5.1 | length 127.9
  Bottom Layer w25: R27.2 4130,1885 4154.31,1860.69 4154.31,1811.83 U5.1
NetR28_2: R28.2 U5.2 | length 117.5
  Bottom Layer w25: U5.2 R28.2
NetR29_2: R29.2 U5.3 | length 129.6
  Bottom Layer w25: U5.3 4255,1870 4273.8,1888.8 4273.8,1925.41 4277.05,1928.66 R29.2
NetR30_1: R30.1 U7.6 | length 279.3
  Top Layer w10: R30.1 U7.6
NetR34_1: R34.1 U7.25 | length 254.6
  Top Layer w10: U7.25 2895,2510 R34.1
NetR35_1: R35.1 U1.6 U7.28 | length 897.9
  Top Layer w10: U7.28@2889.72,2665 3150,2665 3185,2700 3475,2700 3523.11,2651.89 U1.6
NetR36_1: R36.1 U7.14 | length 1612.5
  Top Layer w10: U7.14@2181.46,2515 2060,2515 2040,2495 2040,2003.43 2343.43,1700 2760,1700 2795,1665 2795,1592.52 R36.1
NetR36_2: R36.2 Y4.1 | length 161.3
  Top Layer w10: Y4.1 2639.09,1564.09 2665,1590 R36.2@2730.55,1590
NetR37_2: R37.2 Y4.3 | length 120.9
  Top Layer w10: R37.2@2825,1389.45 2825,1430 2850,1455 Y4.3
NetU1_2: U1.2 U7.31 | length 1162.2
  Top Layer w10: U7.31@2889.72,2815 3140,2815 3175,2850 3825,2850 3855,2880 3855,2935 3823.15,2966.85 U1.2
NetU1_3: U1.3 U7.37 | length 957.4
  Top Layer w10: U7.37@2889.72,3115 3320,3115 3376.77,3058.23 3448.7,2986.3 3546.89,2888.11 U1.3
NetU1_4: U1.4 U7.30 | length 882.3
  Top Layer w10: U7.30@2889.72,2765 3140,2765 3185,2810 3752.52,2810 U1.4
NetU1_5: U1.5 U7.29 | length 869.9
  Top Layer w10: U7.29@2889.72,2715 3140,2715 3155.63,2730.63 U1.5
NetU3_5: U3.5 USB1.A6 USB1.B6 | length 825.2
  Top Layer w10: U3.5 4090.51,904.49 4140,855 USB1.B6@4140,327.83 ; USB1.A6 4100.08,289.92 4110,280 4130,280 4139.45,289.45 USB1.B6
NetU3_6: U3.6 USB1.A7 USB1.B7 | length 689.8
  Top Layer w10: U3.6 4050.51,854.49 4080,825 4080,455 USB1.B7@4080,327.83 ; 4079.76,397.83 4119.76,357.83 USB1.A7
NetU4_1: U4.1 XTAL2.1 | length 103.5
  Bottom Layer w10: XTAL2.1 U4.1
NetU4_2: U4.2 XTAL2.2 | length 186.1
  Bottom Layer w10: U4.2 4570,1470 4588.31,1451.69 XTAL2.2
pads on no net: ANT1.2 U3.9 U3.10 U3.11 U3.12 U3.15 U4.7 U7.4 U7.5 U7.17 U7.18 U7.19 U7.20 U7.21 U7.22 U7.23 U7.26 U7.27 U7.32 U7.39 USB1.A8 USB1.B8 XTAL1.2 XTAL1.4
copper on no net:
  other v1: 4425,2385 4499,2385 4573,2385 4647,2385 4721,2385 4795,2385 4425,2453.33 4795,2453.33 4795,2521.67 4425,2590 4499,2590 4573,2590 4647,2590 4721,2590 4795,2590 705,3295 798.83,3295 892.67,3295 986.5,3295 705,3385 798.83,3385 892.67,3385 986.5,3385

## Polygon pours and split planes (outlines as drawn)
GND on Top Layer "GND_L01_P001" (solid, pour order 1): 0,3465 4840,3465 4840,0 0,0
GND on Bottom Layer "GND_L02_P002" (solid, pour order 2): 0,3465 4840,3465 4840,0 0,0

## Keep-outs
Keep-Out Layer:
  lines w1.97: 4.02,4.02 4840,4.02 4840,3465 4.02,3465 4.02,4.02

## Other copper
Top Layer:
  pour cut-out: 1290,910 2935,910 2935,120 1290,120
  pour cut-out: 2140,3470 2930,3470 2930,3215 2140,3215
  pour cut-out: 500,880 1010,880 1010,125 500,125
Bottom Layer:
  pour cut-out: 1290,910 2935,910 2935,120 1290,120
  pour cut-out: 500,880 1010,880 1010,125 500,125
  pour cut-out: 2140,3470 2930,3470 2930,3215 2140,3215

## Silkscreen, mask and mechanical layers (free items; w line width, h text height)
Top Overlay:
  lines w10: 453.01,0.25 4390.01,0.25 ; 453.01,0.25 4390.01,0.25 ; 453.01,0.25 453.01,354.58 ; 453.01,0.25 453.01,354.58 ; 453.01,354.58 4390.01,354.58 ; 453.01,354.58 4390.01,354.58 ; 4390.01,0.25 4390.01,354.58 ; 4390.01,0.25 4390.01,354.58
  text "CT-GATEWAY" at 3589.49,1345 h60
  text "AUGUS/2025" at 3650.4,1257.14 h50
Bottom Overlay:
  lines w1.97: 2050,2855 3015,2855 ; 2050,2855 2050,2745 3015,2745 3015,2855 ; 2050,2855 3015,2855 ; 2050,2855 2050,2975.99 ; 2050,2975.99 3015,2975.99 ; 2050,2975.99 2050,2630 3015,2630 ; 2050,2975.99 3015,2975.99 ; 2050,2975.99 3015,2975.99 ; 2050,2975.99 2050,2495 3015,2495 3015,2975.99 ; 3015,2630 3015,2975.99 ; 3015.01,2630 2675,2630 2675,2975.99 3015.01,2975.99 ; 3015.01,2630 3015.01,2975.99 ; 3015,2855 3015,2975.99
  text "Name   MASTER" at 2995,2875.67 h60
  text "Date    2200070825" at 2985,2766.4 h60
  text "Rev     V3.2" at 2985,2657.12 h60
  text "Designed by HTR" at 2985,2525 h60
Mechanical 1:
  circle w0.5: c4685.29,3307.34 r118.11
  circle w0.5: c4685.29,157.73 r118.11
  circle w0.5: c157.73,157.73 r118.11
  circle w0.5: c157.73,3307.34 r118.11
  circle w0.5: c4685.29,3307.34 r118.11
  circle w0.5: c4685.29,157.73 r118.11
  circle w0.5: c157.73,157.73 r118.11
  circle w0.5: c157.73,3307.34 r118.11
  lines w0.5: 0.25,0.25 0.25,3464.82 ; 0.25,0.25 4842.77,0.25 ; 0.25,0.25 0.25,3464.82 ; 0.25,0.25 4842.77,0.25 ; 0.25,3464.82 4842.77,3464.82 ; 0.25,3464.82 4842.77,3464.82 ; 4842.77,0.25 4842.77,3464.82 ; 4842.77,0.25 4842.77,3464.82

## Text inside footprints (layer, text, board x,y; h text height)
U1: Top Overlay "LORA RFModule" at 4060.55,2462.21 h60 r90; Top Overlay "GND" at 3827.29,3031.55 h50; Top Overlay "MISO" at 3827.29,2952.81 h50; Top Overlay "MOSI" at 3827.29,2874.07 h50; Top Overlay "SCK" at 3827.29,2795.33 h50; Top Overlay "NSS" at 3827.29,2716.59 h50; Top Overlay "RESET" at 3827.29,2636.85 h50; Top Overlay "DIO5" at 3827.29,2559.11 h50; Top Overlay "GND" at 3827.29,2480.37 h50; Top Overlay "DIO2" at 4146.16,3028.55 h50; Top Overlay "DIO1" at 4146.16,2949.81 h50; Top Overlay "DIO0" at 4146.16,2871.07 h50; Top Overlay "3V3" at 4146.16,2792.33 h50; Top Overlay "DIO4" at 4146.16,2713.59 h50; Top Overlay "DIO3" at 4146.16,2634.85 h50; Top Overlay "GND" at 4146.16,2556.11 h50; Top Overlay "ANT" at 4146.16,2476.82 h50
U6: Top Overlay "AC-DC  / Hi-Link 10W" at 844.13,1169 h100 r90; Top Overlay "VCC" at 1244.39,2213 h60 r90; Top Overlay "GND" at 344.4,2182.99 h60 r90; Top Overlay "N" at 951.37,834.02 h60 r90; Top Overlay "L" at 622.38,841.02 h60 r90